# KiCad board top-plate.kicad_pcb
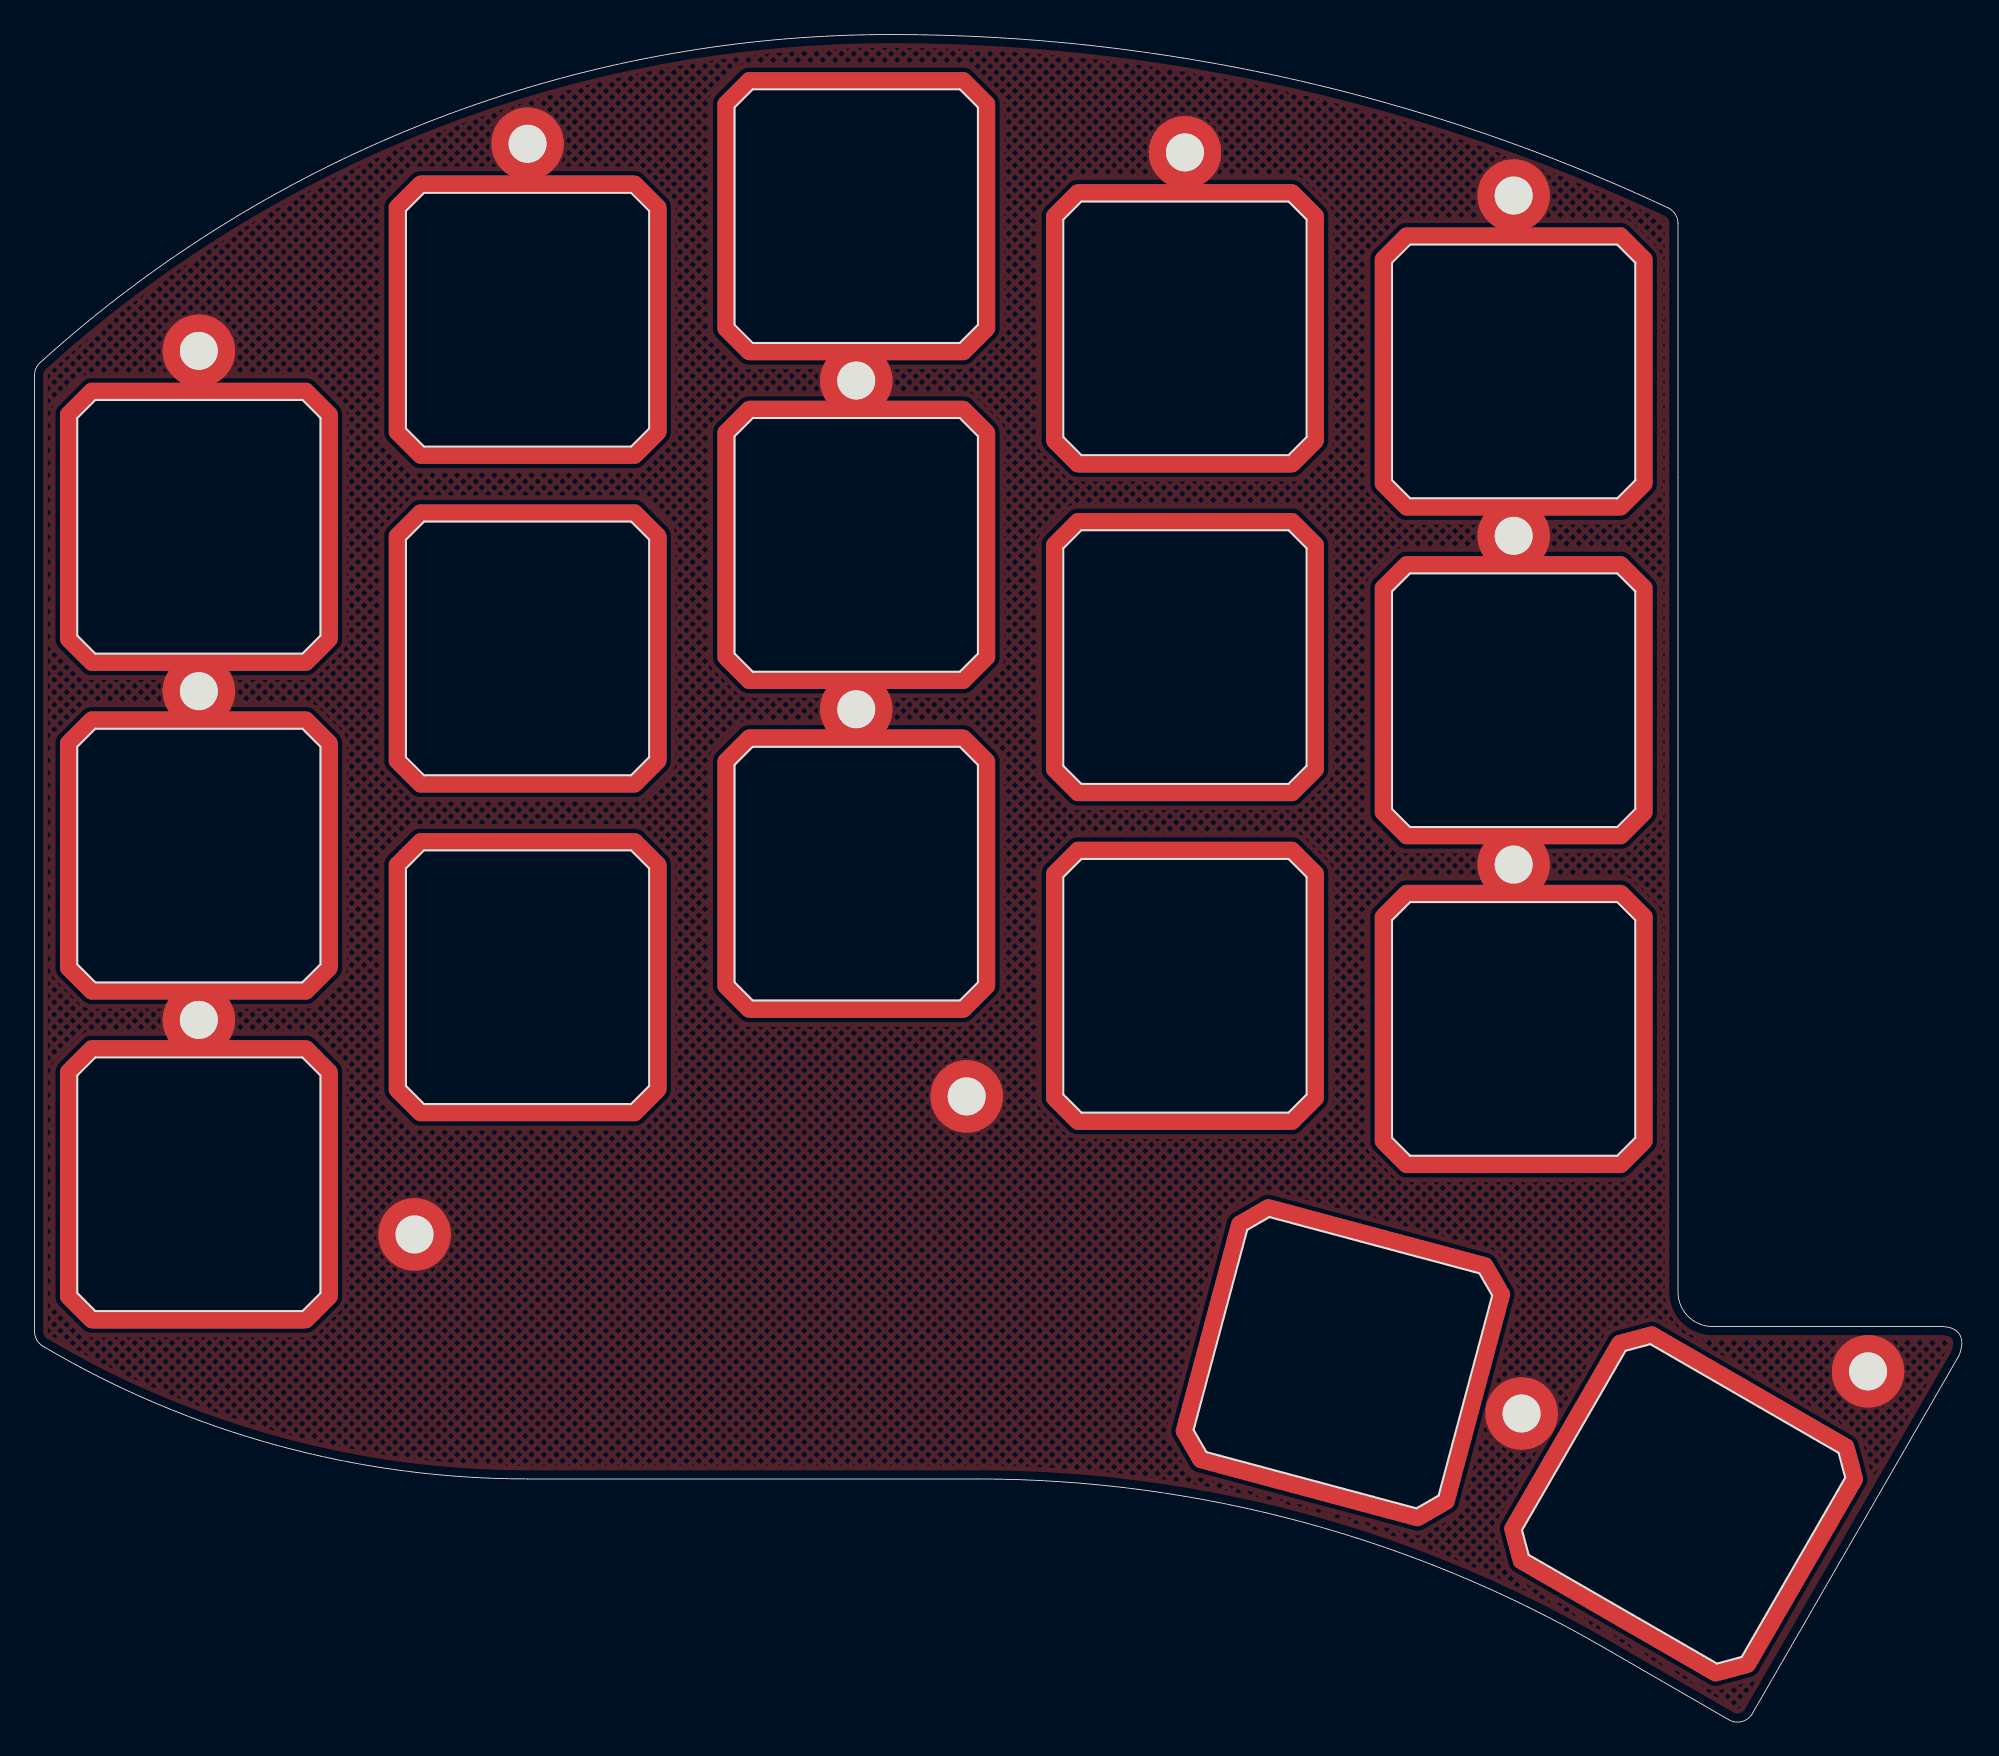
[diagram p0: board, top side]
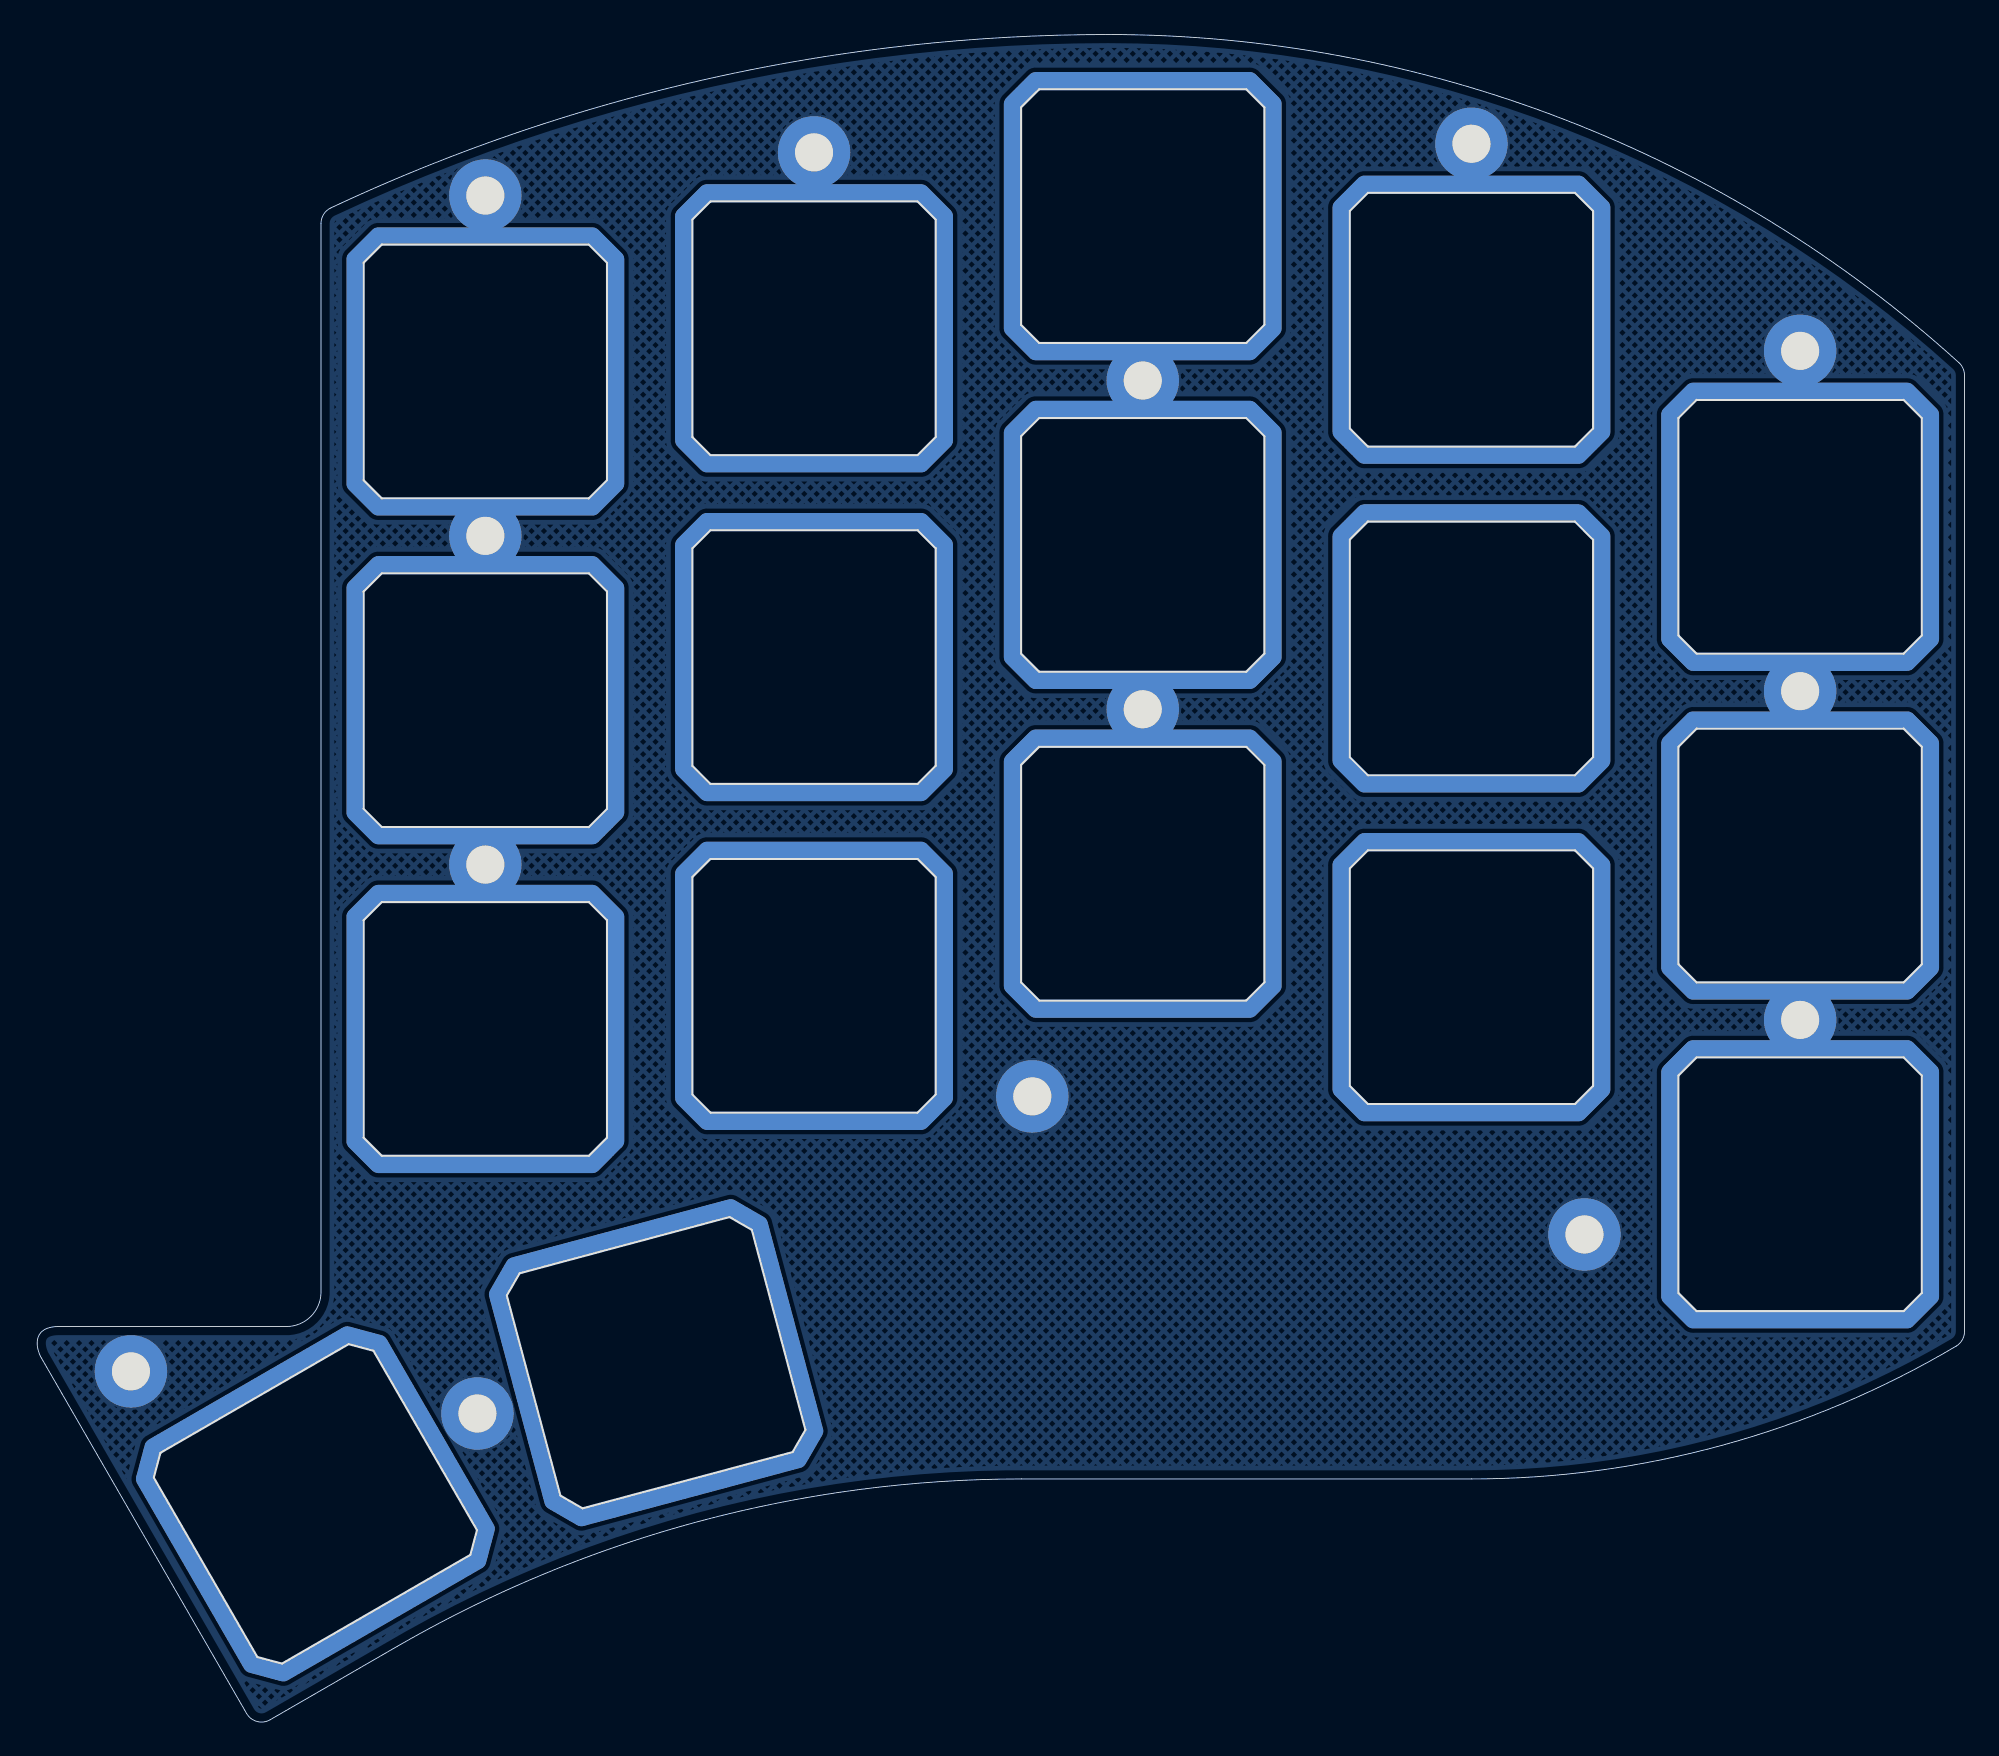
[diagram p1: board, bottom side, seen from below]

Outline 111.85 x 97.76 mm; copper layers: Top, Bottom. Coordinates in mm from the lower left corner of the outline.
Outline path: 110.45,22.89 97.25,22.89 arc(95.83,23.47) 95.25,24.89 95.25,72.11 95.25,86.81 arc(95.09,87.34) 94.67,87.71 arc(72.7,95.21) 49.62,97.76 arc(23.2,92.84) 0.32,78.74 arc(0.08,78.41) 0,78 0,22.61 arc(0.13,22.12) 0.47,21.76 arc(14.01,16.01) 28.57,14.05 54.64,14.06 arc(73.36,11.59) 90.81,4.36 98.2,0.1 arc(98.95,0) 99.56,0.47 110.25,18.98 111.51,21.16
Stack: Top 0.035mm / dielectric 1.51mm FR4 er 4.5 / Bottom 0.035mm

## Placement (name value [footprint] x y rotation side)
H1  MountingHole  [MountingHole_2.2mm_M2_Pad]  9.52 79.42 0 top
H2  MountingHole  [MountingHole_2.2mm_M2_Pad]  9.52 59.71 0 top
H3  MountingHole  [MountingHole_2.2mm_M2_Pad]  9.52 40.66 0 top
H4  MountingHole  [MountingHole_2.2mm_M2_Pad]  28.57 91.42 0 top
H5  MountingHole  [MountingHole_2.2mm_M2_Pad]  22.03 28.22 0 top
H6  MountingHole  [MountingHole_2.2mm_M2_Pad]  47.62 77.71 0 top
H7  MountingHole  [MountingHole_2.2mm_M2_Pad]  47.62 58.66 0 top
H8  MountingHole  [MountingHole_2.2mm_M2_Pad]  54.03 36.22 0 top
H9  MountingHole  [MountingHole_2.2mm_M2_Pad]  66.67 90.93 0 top
H10  MountingHole  [MountingHole_2.2mm_M2_Pad]  85.72 88.43 0 top
H11  MountingHole  [MountingHole_2.2mm_M2_Pad]  85.72 68.71 0 top
H12  MountingHole  [MountingHole_2.2mm_M2_Pad]  85.72 49.66 0 top
H13  MountingHole  [MountingHole_2.2mm_M2_Pad]  86.18 17.85 337.5 top
H14  MountingHole  [MountingHole_2.2mm_M2_Pad]  106.26 20.29 337.5 top
SW1  EC_SW  [ecs_plate_cut_1U]  9.52 69.23 90 top
SW2  EC_SW  [ecs_plate_cut_1U]  28.57 81.23 90 top
SW3  EC_SW  [ecs_plate_cut_1U]  47.62 87.23 90 top
SW4  EC_SW  [ecs_plate_cut_1U]  66.67 80.73 90 top
SW5  EC_SW  [ecs_plate_cut_1U]  85.72 78.23 90 top
SW6  EC_SW  [ecs_plate_cut_1U]  9.52 50.18 90 top
SW7  EC_SW  [ecs_plate_cut_1U]  28.57 62.18 90 top
SW8  EC_SW  [ecs_plate_cut_1U]  47.62 68.18 90 top
SW9  EC_SW  [ecs_plate_cut_1U]  66.67 61.68 90 top
SW10  EC_SW  [ecs_plate_cut_1U]  85.72 59.18 90 top
SW11  EC_SW  [ecs_plate_cut_1U]  9.52 31.13 90 top
SW12  EC_SW  [ecs_plate_cut_1U]  28.57 43.13 90 top
SW13  EC_SW  [ecs_plate_cut_1U]  47.62 49.13 90 top
SW14  EC_SW  [ecs_plate_cut_1U]  66.67 42.63 90 top
SW15  EC_SW  [ecs_plate_cut_1U]  85.72 40.13 90 top
SW16  EC_SW  [ecs_plate_cut_1U]  75.83 20.79 345 top
SW17  EC_SW  [ecs_plate_cut_1U]  95.57 12.61 330 top

## Library data of the parts
H1-H14 = -: Description: Mounting Hole without connection

## Footprints (pads in the part's own frame, mm; a bottom-side part is the same pattern mirrored in y, then rotated)
MountingHole_2.2mm_M2_Pad
  round 4.2 hole 2.2: 1(0,0)

## Nets
GND: H1.1 H2.1 H3.1 H4.1 H5.1 H6.1 H7.1 H8.1 H9.1 H10.1 H11.1 H12.1 H13.1 H14.1

## Copper pours and planes (outline as drawn; the poured copper is in the pictures)
GND on Top, Bottom: 125.74,102.13 122.89,-11.67 -21.16,-5.92 -17.46,107.33
